# KiCad board prototype_01.kicad_pcb (continued)
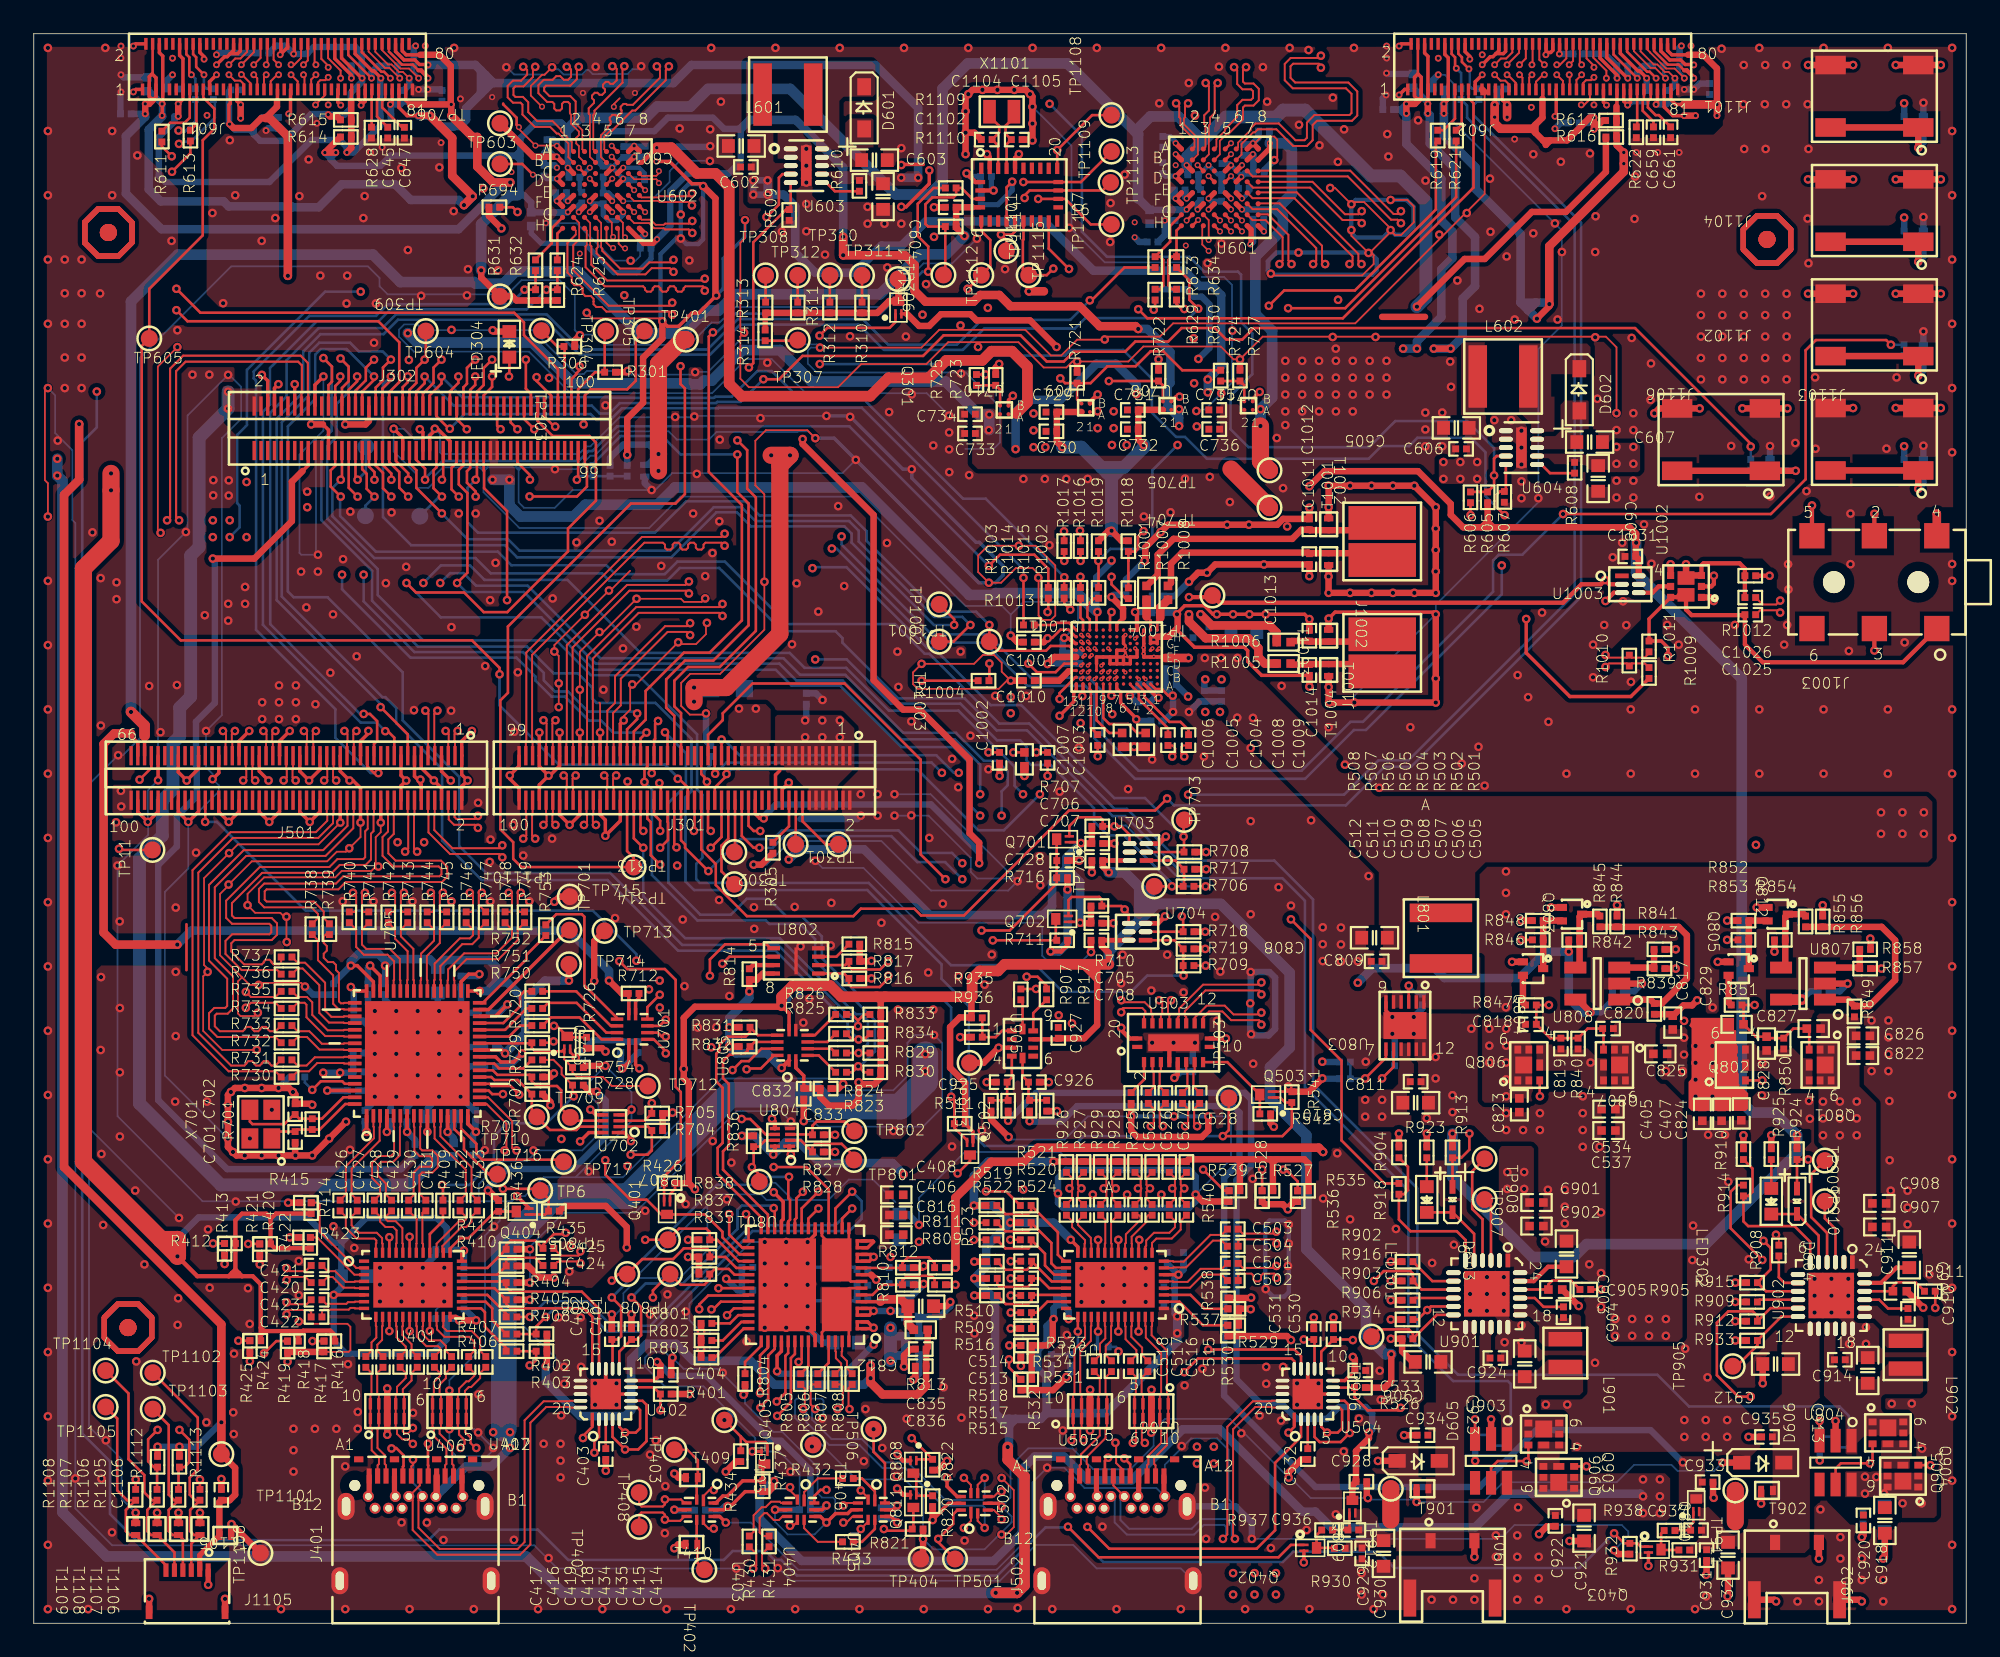
[diagram p0: board, top side]
## Routing (per net, layer and track width the routed paths; a pad name or vN(x,y) marks a point on that pad's centre or on a via; arc(x,y) is an arc through that point) (continued)
SSC_WAKE_PS0: length 41.1
  TOP w0.152: v1(25.17,73.91) 25.17,73.53 24.67,73.03 J302.60 ; U1101.6 56.17,82.54 56.7,82.01 56.7,80.46 TP1112.1 v1(55.36,79.11)
  ART06 w0.122: v1(25.17,73.91) 25.68,74.42 25.68,76 27.26,77.58 31.25,77.58 32.91,79.24 38.34,79.24 39.67,77.9 44.55,77.9 45.54,78.89 55.14,78.89 v1(55.36,79.11)
SSEQ0/A0: length 12.7
  TOP w0.152: v1(74.07,26.89) 74.22,26.89 74.92,26.2 R535.2 ; v1(65.53,22.73) 65.49,22.69 U501.11
  ART03 w0.122: v1(74.07,26.89) 69.91,22.73 v1(65.53,22.73)
SSEQ1: length 4.1
  TOP w0.152: U501.3 68.57,19.47 69.39,18.64 R538.1
SWD_CLK: length 2.4
  TOP w0.152: U801.40 41.76,18.27 41.27,17.78 R801.2
SWD_DAT: length 2.6
  TOP w0.152: R802.2 40.84,16.76 41.95,17.87 U801.41
SYS_5V: length 87.6
  TOP w0.203: U801.2 49.43,17.87 v1(49.78,17.52) ; v1(43.87,25.55) 44.42,24.99 44.42,23.95 44.32,23.85 U801.25 ; U801.12 49.63,21.87 v1(49.78,21.72) 49.53,21.47 U801.11 ; U801.1 49.73,17.47 ; U801.46 44.32,16.13 44.06,15.87 v1(44.06,14.94)
  TOP w0.381: 49.73,17.47 v1(49.78,17.52)
  ART03 w0.508: v1(78.92,31.03) 76.66,33.29 v1(76.38,33.29)
  GND04 w0.762: v1(50.78,21.72) 50.78,20.62 52.02,19.38 52.02,17.32 51.26,16.56 49.83,16.56 v1(49.78,16.52)
  ART05 w0.381: v1(43.87,25.55) 44.22,25.55 46.11,23.66 48.04,23.66 49.78,21.92 v1(49.78,21.72)
  ART05 w0.762: 52.02,17.83 52.02,17.35 51.19,16.52 v1(49.78,16.52) v1(49.78,17.52) ; v1(78.92,30.03) v1(78.92,31.03) v1(79.92,31.03) v1(79.92,30.03) v1(78.92,30.03)
  ART05 w1.524: v1(49.78,21.72) v1(50.78,21.72) 51.21,21.29 51.21,19.96 52.02,19.15 52.02,17.83 57.2,12.65 68.53,12.65 79.45,23.57 79.45,30.03
  BOTTOM w0.381: v1(76.38,33.29) 76.4,33.27 R859.1 ; v1(44.06,14.94) 44.21,14.8 48.07,14.8 v1(49.78,16.52)
SYS_VBAT: length 143.4
  TOP w0.203: J301.24 43.97,50.29 44.22,50.55 ; 67.07,57.23 67.01,57.28 U1001.E1 66.41,57.28 v2(66.4,57.3) 66.38,57.28 U1001.E2 U1001.E3 65.8,57.47 v2(65.79,57.48) 65.8,57.49 U1001.F3 65.8,57.82 v2(65.79,57.84) 65.8,57.85 U1001.G3 U1001.H3 v2(65.8,58.67) U1001.J3 ; U403.9 40.91,6.73 v1(41.13,6.95) 41.17,6.98 41.35,6.98 42.17,7.8 R437.1
  TOP w0.381: R437.1 43.56,7.8 43.89,8.13 v1(43.89,8.42)
  TOP w0.508: 67.07,57.23 v1(68.45,57.23)
  GND02 w0.381: v2(65.8,58.67) 65.8,58.36 v3(65.68,58.24) 65.79,58.14 v2(65.79,57.84) v2(65.79,57.48) 65.96,57.3 v2(66.4,57.3) 68.38,57.3 v1(68.45,57.23) v1(69.42,57.23) v1(70.38,57.23) v1(71.35,57.23) ; v2(65.8,58.67) 65.8,59.04 v3(65.67,59.16) ; v2(65.8,58.67) 66.37,58.67 v3(66.65,58.95)
  GND04 w0.635: 66.07,58.95 65.88,58.95 v3(65.67,59.16) ; 66.07,58.95 65.68,58.57 v3(65.68,58.24) ; 66.07,58.95 v3(66.65,58.95) 68.38,57.23 v1(68.45,57.23) v1(69.42,57.23) v1(70.38,57.23) v1(71.35,57.23)
  ART05 w0.508: v1(69.6,73.74) v1(69.6,72.97) 69.6,72.22 70.42,71.39 70.42,68.73
  BOTTOM w0.381: v1(43.5,85.54) v1(42.65,85.54) v1(42.65,84.69) v1(43.5,84.69) ; C437.1 40.74,6.71 40.99,6.95 v1(41.13,6.95) ; v1(45.73,53.53) 45.8,53.6 C524.1
  BOTTOM w0.508: 95.22,6.71 v1(95.39,6.53) ; v1(43.5,85.54) v1(43.5,84.69) 44.45,84.69 45.14,84.01 45.14,81.25 46.33,80.06 48.64,80.06 50.25,81.67 51.45,81.67 52.88,83.11 59.9,83.11 62.82,80.19 68.19,80.19 69.1,79.28 69.85,79.28 70.39,78.74 70.39,74.53 v1(69.6,73.74) v1(69.6,72.97) ; v1(95.39,7.53) 95.24,7.68 87.44,7.68 85.45,5.69 76.9,5.69 75.97,6.62 75.18,6.62 70.3,11.5 68.11,11.5 65.08,8.47 62.48,8.47 61.07,9.89 59.33,9.89 58.58,9.13 58.58,5.36 56.92,3.7 45.52,3.7 43.02,6.19 43.02,7.63 43.8,8.41 43.87,8.41 v1(43.89,8.42)
  vias: v1(45.73,52.53) v1(46.74,53.53) v1(46.74,52.53) v1(47.78,53.53) v1(47.78,52.53) v1(71.34,53.69) v1(72.27,53.68) v1(83.56,68.84) v1(83.56,67.84) v1(84.56,68.84) v1(84.56,67.84) v1(85.56,68.84) v1(85.56,67.84) v1(95.39,8.53) v1(96.39,8.53) v1(96.39,7.53) v1(96.39,6.53) v1(108.55,8.69) v1(108.55,7.69) v1(109.23,8.67) v1(109.5,48.07) v1(109.5,46.8) v1(109.68,7.69) v1(110.77,48.07) v1(110.77,46.8) v1(110.78,7.11) v1(111.91,7.11) v1(112.04,48.07) v1(112.04,46.8)
TP_EINT: length 85.9
  TOP w0.152: R1105.2 v1(9.85,8.52) ; v1(26.2,66.79) 26.2,67.1 25.68,67.61 25.68,68.3 25.87,68.49 J302.65
  ART03 w0.122: v1(9.85,8.52) 9.85,11 3.39,17.45 3.39,62.29 9.37,68.27 24.72,68.27 v1(26.2,66.79)
TP_RST: length 90.5
  TOP w0.152: R1108.2 v1(6.04,8.52) ; J302.90 30.67,72.78 29.81,73.64 v1(29.81,73.87)
  ART03 w0.122: v1(29.81,73.87) 29.81,73.55 28.18,71.92 26.14,71.92 25.15,70.93 25.15,70.64 23.66,69.15 8.96,69.15 2.56,62.74 2.56,17.02 6.04,13.54 v1(6.04,8.52)
TP_SCL: length 86.9
  TOP w0.152: R1106.2 8.58,9.2 R1113.2 8.93,9.26 9.22,9.55 9.22,10.88 v1(8.64,11.46) ; v1(27.67,70.79) 27.47,70.99 J302.74
  ART03 w0.122: v1(8.64,11.46) 8.64,11.76 3.12,17.28 3.12,62.44 9.21,68.54 25.42,68.54 v1(27.67,70.79)
TP_SDA: length 88.3
  TOP w0.152: J302.78 28.27,71.19 v1(28.67,70.79) ; R1107.2 7.31,9.23 R1112.2 7.13,9.26 6.78,9.6 6.78,10.91 v1(7.34,11.46)
  ART03 w0.122: v1(28.67,70.79) 28.2,71.26 27.12,71.26 24.68,68.82 9.05,68.82 2.84,62.61 2.84,17.13 7.34,12.63 v1(7.34,11.46)
TUSB1064_EN: length 77.1
  TOP w0.152: J302.29 18.67,67.32 v1(19.2,66.79) ; Q404.1 30.32,24.23 R435.1 30.52,25.16 TP6.1 29.92,25.76 v1(27.81,25.76)
  ART03 w0.122: v1(19.2,66.79) 18.94,66.79 17.3,65.15 14.83,65.15 13.67,66.32 10.59,66.32 10.13,65.86 10.13,64.08 10.54,63.68 10.81,63.68 11.28,63.21 11.28,61.26 10.72,60.71 10.72,52.1 9.65,51.03 9.65,46.59 10.67,45.57 10.67,40.39 10.95,40.11 10.95,27.2 12.7,25.45 24.37,25.45 25.38,26.46 27.11,26.46 v1(27.81,25.76)
USB1_HS_N: length 110.6
  TOP w0.127: TP407.1 35.89,6.44 36.02,6.57 37.29,6.57 37.41,6.44 v1(37.41,6.15) 37.49,6.07 38.31,6.07 38.57,6.33 38.7,6.33 ; J302.18 16.27,72.99 16.25,73.01 16.25,74.72 15.82,75.15 8.85,75.15 8.08,74.38 8.08,65.57 v1(7.9,65.39)
  ART03 w0.127: v1(37.41,6.15) 37.27,6.29 31.75,6.29 29.37,3.91 18.6,3.91 12.42,10.09 12.42,14.18 9.35,17.25 9.35,44.53 8,45.87 8,53.83 7.52,54.31 7.52,62.5 8.08,63.07 8.08,65.21 v1(7.9,65.39)
USB1_HS_P: length 110.5
  TOP w0.127: v1(8.62,65.39) 8.44,65.57 8.44,74.23 9,74.79 15.67,74.79 15.89,74.57 15.89,73.01 15.87,72.99 J302.16 ; 38.7,7.13 38.57,7.13 38.36,7.34 v1(37.41,7.34) 37.41,7.05 37.29,6.92 36.03,6.92 35.89,7.06 TP408.1
  ART03 w0.127: v1(37.41,7.34) 37.41,6.77 37.29,6.64 36.92,6.64 36.79,6.77 36.79,6.79 36.66,6.91 36.41,6.91 36.28,6.79 36.28,6.77 36.15,6.64 35.9,6.64 35.77,6.77 35.77,6.79 35.65,6.91 35.39,6.91 35.27,6.79 35.27,6.77 35.14,6.64 34.88,6.64 34.76,6.77 34.76,6.79 34.63,6.91 34.38,6.91 34.25,6.79 34.25,6.77 34.12,6.64 33.87,6.64 33.74,6.77 33.74,6.79 33.61,6.91 33.36,6.91 33.23,6.79 33.23,6.77 33.11,6.64 32.85,6.64 32.73,6.77 32.73,6.79 32.6,6.91 32.34,6.91 32.22,6.79 32.22,6.77 32.09,6.64 31.6,6.64 29.22,4.26 18.75,4.26 12.78,10.24 12.78,14.33 9.7,17.4 9.7,44.67 8.36,46.02 8.36,53.97 7.87,54.46 7.87,62.36 8.44,62.92 8.44,65.21 v1(8.62,65.39)
USB1_R_L_SEL: length 128.1
  TOP w0.152: U404.10 46.27,7.54 46.63,7.91 v1(46.99,7.91) ; J302.99 32.67,68.7 32.79,68.58 32.79,67.39 32.21,66.8 v1(29.39,66.8)
  ART03 w0.122: v1(29.39,66.8) 28.86,66.8 26.57,64.51 14.54,64.51 13.66,65.39 v1(11.62,65.39)
  ART06 w0.122: v1(11.62,65.39) 11.13,64.9 11.13,62.94 2.58,54.4 2.58,21.3 10.08,13.8 18.36,13.8 19.78,15.21 26.29,15.21 27.75,16.67 38,16.67 41.86,12.81 41.86,11.93 43.07,10.71 45.89,10.71 v1(46.13,10.47)
  ART06 w0.152: v1(46.99,7.91) 46.99,9.99 46.51,10.47 v1(46.13,10.47)
USB1_SEL: length 129.4
  TOP w0.152: J302.96 31.87,73.75 32.16,74.04 32.16,74.09 32.35,74.29 v1(32.35,74.51) ; v1(40.94,12.04) 41.91,11.07 ; 41.91,11.07 42.24,10.74 43.38,10.74 43.49,10.64 Q405.1 ; 41.91,11.07 R434.1
  ART03 w0.122: v1(10.62,64.39) 11.54,63.46 16.09,63.46 16.51,63.88 26.82,63.88 27.58,64.64 28.36,64.64 31.72,68 31.72,73.88 v1(32.35,74.51)
  ART06 w0.122: v1(40.94,12.04) 40.94,13.34 37.97,16.31 27.84,16.31 26.44,14.9 19.93,14.9 18.49,13.47 9.9,13.47 2.28,21.09 2.28,54.71 10.13,62.56 10.13,63.91 v1(10.62,64.39)
USB1_SS_RX_N: length 78.2
  TOP w0.114: v1(11.21,52.9) 11.4,52.72 11.4,52.27 11.37,52.24 J501.71
  TOP w0.127: v1(66.93,29.47) 66.75,29.65 66.75,30.49 C526.1
  ART06 w0.127: v1(66.93,29.47) 66.78,29.62 66.78,30.35 63.6,33.52 63.6,35.3 57.64,41.26 57.64,45.03 56.46,46.2 54.14,46.2 53.93,45.99 52.67,45.99 52.47,46.2 46.71,46.2 43.22,49.7 43.22,51.3 41.08,53.44 38.69,53.44 36.96,55.16 35.06,55.16 34.65,54.75 32.13,54.75 31.66,55.22 26.82,55.22 25.4,56.64 18.69,56.64 18.13,57.2 13.82,57.2 11.39,54.78 11.39,53.08 v1(11.21,52.9)
USB1_SS_RX_P: length 78.1
  TOP w0.114: J501.69 11.77,52.24 11.74,52.27 11.74,52.72 v1(11.93,52.9)
  TOP w0.127: C525.1 66.4,30.49 66.4,29.65 v1(66.22,29.47)
  ART06 w0.127: v1(66.22,29.47) 66.29,29.47 66.42,29.6 66.42,30.2 63.25,33.38 63.25,35.15 57.28,41.11 57.28,44.88 56.32,45.85 54.29,45.85 54.08,45.64 52.53,45.64 52.32,45.85 46.56,45.85 42.86,49.55 42.86,51.15 40.93,53.08 38.54,53.08 36.81,54.81 35.21,54.81 34.8,54.4 31.98,54.4 31.52,54.86 26.67,54.86 25.25,56.28 18.54,56.28 17.98,56.85 13.96,56.85 13.25,56.13 13.25,55.95 13.3,55.9 13.3,55.72 13.12,55.54 12.94,55.54 12.89,55.59 12.71,55.59 12.53,55.41 12.53,55.23 12.58,55.18 12.58,55 12.4,54.82 12.22,54.82 12.17,54.87 11.99,54.87 11.75,54.63 11.75,54.19 11.88,54.06 11.91,54.06 12.04,53.93 12.04,53.68 11.91,53.55 11.88,53.55 11.75,53.43 11.75,53.08 v1(11.93,52.9)
USB1_SS_TX_N: length 91.9
  TOP w0.114: v1(12.41,49.97) 12.6,50.15 12.6,50.6 12.57,50.63 J501.65
  TOP w0.127: v1(68.96,29.47) 68.78,29.65 68.78,30.49 C528.1
  ART06 w0.127: v1(12.41,49.97) 12.59,50.15 12.59,51.05 12.47,51.18 10.04,51.18 9.39,51.83 9.39,54.75 12.98,58.34 28.1,58.34 29.87,56.58 42.66,56.58 44.45,54.79 44.45,51.41 48.62,47.24 52.44,47.24 52.77,47.57 55.12,47.57 55.57,47.13 57.62,47.13 59.15,45.6 59.15,42.57 61.06,40.67 64.84,40.67 65.58,39.92 65.58,33.3 68.86,30.02 68.86,29.58 68.86,29.57 v1(68.96,29.47)
USB1_SS_TX_P: length 91.8
  TOP w0.114: v1(13.13,49.97) 12.94,50.15 12.94,50.6 12.97,50.63 J501.63
  TOP w0.127: v1(68.25,29.47) 68.43,29.65 68.43,30.49 C527.1
  ART06 w0.127: v1(68.25,29.47) 68.5,29.72 68.5,29.88 65.22,33.16 65.22,39.78 64.69,40.31 60.91,40.31 58.8,42.42 58.8,45.45 57.48,46.77 55.42,46.77 54.97,47.22 52.91,47.22 52.58,46.89 48.47,46.89 44.09,51.26 44.09,54.64 42.51,56.22 29.72,56.22 27.96,57.99 13.13,57.99 9.74,54.6 9.74,51.98 10.19,51.54 10.52,51.54 10.65,51.66 10.65,51.82 10.78,51.94 11.03,51.94 11.16,51.82 11.16,51.66 11.28,51.54 11.54,51.54 11.67,51.66 11.67,51.82 11.79,51.94 12.05,51.94 12.17,51.82 12.17,51.66 12.3,51.54 12.61,51.54 12.95,51.2 12.95,50.15 v1(13.13,49.97)
USB3_SEL: length 103.4
  TOP w0.152: v1(17.17,75.01) 17.68,74.5 17.68,73.61 17.47,73.4 J302.24 ; Q503.1 73.89,31.17 74.18,30.87 R541.1 74.57,29.44 74.02,28.88 v1(70.48,28.88) 70.84,29.24 TP503.1
  BOTTOM w0.152: v1(70.48,28.88) 62.23,28.88 61.65,28.3 56.36,28.3 55.42,29.24 55.42,36.59 53.81,38.2 53.81,39.07 49.41,43.47 39.14,43.47 38.63,43.98 38.63,48.97 38.99,49.33 38.99,52.43 36.85,54.56 33.37,54.56 33.1,54.83 33.1,55.47 32.25,56.32 30.82,56.32 29.24,57.9 22.77,57.9 20.06,60.62 20.06,62.39 17.05,65.39 17.05,70.09 17.65,70.69 17.65,74.52 v1(17.17,75.01)
USB_D+: length 4
  TOP w0.127: 39.12,9.91 38.75,10.29 TP403.1
  TOP w0.152: 39.12,9.91 39.36,9.67 T409.2 39.3,8.57 U403.2
USB_D-: length 3.1
  TOP w0.152: TP402.1 39.34,3.59 T410.2 39.3,4.72 U403.6
USB_HS1_VBUS_DET: length 4.8
  TOP w0.152: J302.97 32.27,67.87 v1(32.2,67.79)
  BOTTOM w0.152: R429.2 R428.1 R427.2 32.41,68.01 v1(32.2,67.79)
USB_HUB_RESET: length 5.5
  TOP w0.152: J302.98 32.27,73.16 33.27,74.17 R301.1 33.84,76.54 TP304.1
USB_ID: length 31.1
  TOP w0.152: J301.53 37.97,53.8 37.49,54.28 37.49,55.96 38.61,57.07 40.28,57.07 42.37,59.16 42.37,66.39 41.71,67.06 v1(41.71,69.29)
  BOTTOM w0.152: v1(41.71,69.29) 38.34,69.29 37.25,70.38 34.8,70.38 33.15,68.73 R427.1
USB_L_SEL: length 132.8
  TOP w0.152: J302.30 18.67,73.13 19.17,73.63 v1(19.17,73.91) ; U405.10 50.46,9.49 49.78,10.16 v1(49.78,11.51)
  ART03 w0.122: v1(19.38,78.94) 19.68,78.64 19.68,74.43 v1(19.17,73.91)
  ART06 w0.122: v1(49.78,11.51) 49.62,11.67 45.26,11.67 44.84,12.09 44.84,15.2 44.36,15.68 39.44,15.68 38.09,17.02 27.57,17.02 26.03,15.49 19.65,15.49 18.32,14.16 10.27,14.16 2.9,21.54 2.9,54.21 11.62,62.93 v1(11.62,64.39)
  BOTTOM w0.152: v1(11.62,64.39) 12.2,64.98 12.2,66.26 12.05,66.41 12.05,70.45 12.64,71.03 12.64,74.31 17.28,78.94 v1(19.38,78.94)
USB_R_SEL: length 131.3
  TOP w0.152: J302.57 24.27,67.87 v1(24.2,67.79) ; 54.95,6.71 54.75,6.71 54.5,6.46 54.5,5.89 v1(53.61,5) 53.61,4.81 TP501.1
  ART03 w0.122: v1(12.62,67.66) 12.88,67.92 17.41,67.92 18.02,67.31 23.71,67.31 v1(24.2,67.79)
  ART06 w0.122: v1(12.62,67.66) 12.62,66.39 12.12,65.89 12.12,63.04 3.19,54.11 3.19,21.8 10.49,14.5 16.62,14.5 17.99,15.88 25.93,15.88 27.39,17.34 38.29,17.34 38.9,16.73 40.78,16.73 41.55,15.96 46.11,15.96 47.02,15.05 47.02,12.54 47.56,11.99 50.08,11.99 54.16,7.91 54.16,5.55 v1(53.61,5)
USB_VBUS_5V: length 42.6
  TOP w1.016: v1(39.14,54.64) v1(39.14,55.47) 41.05,55.47 44.23,58.65 44.23,68.64 v1(44.83,69.24) v1(43.71,69.24) ; TP401.1 38.47,76.1 37.03,74.67 v1(37.03,69.32) v1(37.03,68.32)
  ART06 w1.016: v1(37.03,68.32) v1(37.03,69.32) 39.53,69.32 40.83,68.02 42.49,68.02 v1(43.71,69.24) v1(44.83,69.24)
  BOTTOM w0.381: T411.2 36.39,68.68 v1(37.03,69.32) 36.47,69.88 34.94,69.88 34.16,69.1 R428.2
VOLUME_DOWN: length 143.6
  TOP w0.152: J301.63 35.97,52.45 v1(36.32,52.81) ; v1(110.09,75.8) 109.81,76.07 105.64,76.07 105.03,75.46 105.03,67.82 102.97,65.76 v1(90.65,65.76)
  ART06 w0.122: v1(18.28,62.17) 18.74,62.17 20.29,63.72 31.58,63.72 31.98,63.32 34.83,63.32 38.2,66.69 44.87,66.69 47.13,64.43 v1(47.89,64.43)
  BOTTOM w0.152: v1(36.32,52.81) 34.34,52.81 33.63,53.52 32.91,53.52 31.49,54.94 30.69,54.94 29.74,55.89 29.74,56.12 28.62,57.25 22.33,57.25 18.28,61.3 v1(18.28,62.17) ; v1(110.09,75.8) R1102.1 ; v1(90.65,65.76) 88.24,63.35 86.84,63.35 86.51,63.01 86.51,61.16 78.79,53.44 78.05,53.44 75.16,50.55 65.48,50.55 63.35,52.68 63.35,55.24 62.53,56.06 59.11,56.06 56.54,58.62 53.21,58.62 47.89,63.94 v1(47.89,64.43)
VOLUME_UP: length 134.1
  TOP w0.152: J501.78 10.17,47.52 v1(10.16,47.51)
  ART03 w0.122: v1(35.72,39.28) 35.72,40.57 38.98,43.83 38.98,44.38 39.94,45.34 40.2,45.34 43.12,48.26 47.14,48.26 49.99,51.1 49.99,58.29 57.23,65.54 64.13,65.54 65.74,63.93 66.75,63.93 71.77,68.95 78.54,68.95 82.38,72.8 89.87,72.8 107.18,90.11 v1(110.87,90.11)
  BOTTOM w0.152: v1(10.16,47.51) 10.86,47.51 16.12,42.25 33.15,42.25 35.72,39.67 v1(35.72,39.28)
  BOTTOM w0.381: R1101.1 v1(110.87,90.11)
VREG_L14A_2P8: length 97.9
  TOP w0.203: 19.87,71.27 J302.36
  TOP w0.305: J1105.2 9.84,4.04 T1105.2
  TOP w0.381: TP1101.1 11.94,9.21 11.94,7.62 11.61,7.29 C1106.2 11,7.18 T1105.2 ; R1113.1 v1(8.64,10.46) ; v1(18.47,71.07) 19.67,71.07 19.87,71.27 ; R1112.1 v1(7.34,10.46)
  TOP w0.508: TP1101.1 v1(11.12,11.91) 11.12,17.72 1.8,27.04 1.8,66.9 2.69,67.79 v1(2.69,71.09)
  ART03 w0.508: v1(18.47,71.07) 17.81,70.41 3.38,70.41 v1(2.69,71.09)
  BOTTOM w0.381: v1(7.34,10.46) v1(8.64,10.46) 9.67,10.46 v1(11.12,11.91)
VREG_L15A_1P2: length 63.1
  TOP w0.203: v1(13.52,74.01) 13.87,73.66 J302.6
  TOP w1.016: 70.97,68.43 TP704.1
  ART03 w0.508: v1(13.52,74.01) 12.45,75.09 12.45,80.11 12.95,80.62 19.15,80.62 22.17,77.6 v1(22.17,76.48)
  BOTTOM w0.635: v1(22.17,76.48) 22.72,75.93 29.55,75.93 31.98,73.51 38.85,73.51 38.91,73.45 39.51,73.45 39.73,73.67 40.19,73.67 42,75.48 44.23,75.48 46.1,73.61 54.05,73.61 56.01,71.65 v1(56.64,71.65) 56.64,70.76 v1(56.62,70.74)
VREG_L17A_3P3: length 61
  TOP w0.203: J302.17 16.27,68.65 15.94,68.31
  TOP w0.381: v1(10.62,63.12) 13.08,63.12 15.3,65.34 15.3,67.68 15.94,68.31
  BOTTOM w0.381: R714.2 21.78,26.92 11.47,26.92 7.38,31.01 7.38,44.95 8.48,46.05 8.48,47.85 9.66,49.03 9.66,50.81 9.62,50.86 9.62,53.45 10.74,54.57 10.74,63 v1(10.62,63.12)
VREG_L18A_1P8: length 156.4
  TOP w0.203: v5(86.6,90.02) 86.65,90.07 J602.27 ; J602.41 89.45,90.39 89.43,90.37 ; v5(94.49,91.6) 94.47,91.6 93.25,92.82 J602.60 ; v5(90.43,93.04) 90.45,93.05 J602.46
  TOP w0.381: 89.43,90.37 89.43,89.26 89.02,88.84 ; 89.02,88.36 89.47,87.91 ; 89.02,88.36 89.02,88.84 ; 89.02,88.36 88.77,88.6 89.02,88.84 ; 89.47,87.91 89.63,87.74 89.63,87.65 89.9,87.91 ; 89.47,87.91 89.9,87.91 ; 89.9,87.91 90.88,87.91 92.23,89.26 v5(92.48,89.26) v5(92.48,88.57) 93,89.09 R617.2
  TOP w0.508: 88.77,88.6 86.94,88.6 86.6,88.94 v5(86.6,89.29) v5(86.6,90.02)
  ART03 w0.381: v5(90.43,93.04) 93.83,93.04 94.49,92.38 v5(94.49,91.6) 94.49,91.06 93.85,90.42 93.85,89.61 92.81,88.57 v5(92.48,88.57)
  ART06 w0.381: v1(5.19,48.42) 5.19,49.33 v1(5.17,49.35)
  ART06 w0.508: v1(58.2,69.61) 55.51,69.61 54.81,68.91 53.69,68.91 51.18,66.4 51.18,65.6 47.36,61.77 47.36,56.57 46.87,56.08 44.82,56.08 43.42,57.48 36.34,57.48 35.32,58.5 34.55,58.5 33.77,57.72 32.11,57.72 30.69,59.13 26.09,59.13 25.46,59.76 24.14,59.76 23.48,59.1 12.25,59.1 11.7,58.55 10.29,58.55 7.52,55.77 7.52,54.94 6.8,54.22 6.8,51.96 5.17,50.33 v1(5.17,49.35) ; v1(65.37,72.87) 65.81,72.87 67.78,74.84 67.78,76.31 68.36,76.89 70,76.89 70.54,77.42 71.94,77.42 72.38,76.99 74.77,76.99 77.16,79.38 80.46,79.38 81.57,80.49 85.61,80.49 86.23,79.87 92.3,79.87 93.55,81.13 93.55,84.6 93.1,85.05 93.1,87.96 v5(92.48,88.57) v5(92.48,89.26)
  BOTTOM w0.381: v5(90.43,93.04) 91.24,93.04 C654.2 ; C653.1 94.49,92.32 v5(94.49,91.6) ; C655.1 86.73,90.15 v5(86.6,90.02) v5(86.6,89.29) ; C652.2 92.17,88.95 v5(92.48,89.26)
  BOTTOM w0.508: v1(65.37,72.87) 65.37,73.44 64.14,74.67 62.99,74.67 60.85,72.53 58.91,72.53 58.2,71.82 v1(58.2,69.61)
VREG_L19A_1P2: length 65.7
  BOTTOM w0.508: 23.84,27.66 R715.2
  BOTTOM w0.762: 23.84,27.66 22.17,25.98 11.09,25.98 6.26,30.82 6.26,45.33 7.62,46.69 7.62,48.79 8.25,49.43 8.25,52.19 8.65,52.59 8.65,54.28 9.3,54.93 9.3,63.3 9.8,63.8 9.8,70.29 v1(11.52,72.01) v1(11.52,73.01)
VREG_L21A_3P3: length 207.8
  TOP w0.203: v1(25.5,22.1) 25.38,21.98 U401.28 ; v1(17.78,19.47) U401.6
  TOP w0.254: v1(25.22,17.96) 25.01,18.17 U401.20 ; R414.1 14.36,24.29 14.04,23.97 ; 11.95,20.97 12.16,20.76 ; 11.95,20.97 11.75,20.76 ; 11.95,20.97 R412.1 11.95,23.89 12.34,24.28 13.79,24.28 14.04,24.04 14.04,23.97 ; 12.16,20.76 12.35,20.57 ; 12.16,20.76 11.75,20.76 ; 11.56,20.57 12.35,20.57 ; 11.56,20.57 9.7,20.57 v1(8.52,21.75) ; 11.56,20.57 11.75,20.76 ; 12.35,20.57 12.98,20.57 13.45,20.1 13.45,17.53 ; 15.95,17.32 15.98,17.35 17.58,17.35 17.85,17.08 R416.1 ; 15.95,17.32 15.44,17.32 ; 15.95,17.32 15.69,17.06 ; 15.44,17.32 15.69,17.08 15.69,17.06 ; 15.44,17.32 13.71,17.32 ; R424.1 13.45,17.06 ; 13.45,17.06 13.71,17.32 ; 13.45,17.06 13.45,17.53 ; 13.71,17.32 13.66,17.32 13.45,17.53 ; R418.1 15.69,17.06 ; R422.1 14.29,22.24 R420.1 14.04,23.97
  TOP w0.381: R728.2 32.96,31.52 v1(33.38,31.52) ; R813.1 52.99,16.35 C835.1 C836.1 52.9,14.07 ; v1(30.35,15.24) 30.42,15.31 R403.1 R402.1 ; v1(26.92,25.65) 26.96,25.65 R436.1 ; v1(25.22,17.96) v1(26.22,17.96) ; v1(30.84,20.5) 30,20.5 29.31,21.18 R410.2
  TOP w0.508: 52.9,14.07 52.39,13.56 50.32,13.56 49.61,14.27 v1(49.61,14.53) v1(49.61,15.29)
  TOP w1.016: v1(8.52,21.75) 8.52,21.79 ; 8.52,21.79 7.56,22.75 ; 8.52,21.79 v1(8.52,22.75) 7.56,22.75 ; 7.56,22.75 2.95,27.36 2.95,62.53 4.58,64.17 v1(4.58,67.17) v1(4.58,68.17)
  ART03 w0.381: v1(30.35,15.24) 30.35,15.85 31.73,17.23 31.73,19.6 v1(30.84,20.5)
  ART06 w0.381: v1(30.84,20.5) 30.05,21.29 26.31,21.29 v1(25.5,22.1) 25.5,25.14 26.01,25.65 v1(26.92,25.65)
  ART06 w0.762: v1(16.21,66.16) 16.21,67.08 v1(16.21,67.09) 16.21,68.09 14.67,69.63 6.05,69.63 v1(4.58,68.17) v1(4.58,67.17)
  BOTTOM w0.381: 18.23,22.56 18.23,20.58 C409.1 18.24,19.93 v1(17.78,19.47) 17.78,16.71 18.51,15.98 23.63,15.98 24.48,16.83 C410.1 25.12,18.06 v1(25.22,17.96) ; 18.23,22.56 17.74,22.56 16.24,24.06 9.77,24.06 8.52,22.81 v1(8.52,22.75) v1(8.52,21.75) ; 18.23,22.56 19.7,24.02 23.9,24.02 24.48,23.44 C413.1 25.45,22.15 v1(25.5,22.1) C412.1 ; v1(33.38,31.52) 33.9,31 33.9,28.85 31.98,26.93 28.07,26.93 26.92,25.79 v1(26.92,25.65) ; v1(26.22,17.96) 25.55,18.63 C411.1
  BOTTOM w0.508: v1(30.35,15.24) 30.35,14.33 32.4,12.28 35.07,12.28 35.41,12.63 35.41,15.65 36.34,16.57 38.07,16.57 39.09,15.56 42.48,15.56 43.9,14.14 49.22,14.14 v1(49.61,14.53) v1(49.61,15.29)
VREG_L22A_2P85: length 76.7
  TOP w0.203: J301.30 42.77,47.98 43.04,47.72 v1(43.27,47.72)
  TOP w0.254: U1101.3 v1(56.9,84.94)
  TOP w0.381: v1(56.04,45.06) 56.04,46.27 55.47,46.84 55.47,51.21 52.51,54.17 51.53,54.17 49.78,55.92 49.78,65.7 45.58,69.91 v1(45.58,70.21)
  ART03 w0.381: v1(56.9,84.94) 56.63,85.21 54.95,85.21 51.94,88.21 49.23,88.21 46.51,85.5 46.51,81.92 45.58,80.99 v1(45.58,70.21)
  BOTTOM w0.305: v1(56.9,84.94) 56.77,85.07 C1101.1
  BOTTOM w0.381: v1(43.27,47.72) 43.27,47.82 43.99,48.54 53.19,48.54 56.04,45.69 v1(56.04,45.06)
VREG_L23A_1P8: length 55.1
  TOP w0.203: 14.42,90.25 14.45,90.27 J601.41 ; J302.23 17.47,70.75 17.14,71.07 ; v5(19.46,91.6) 19.44,91.6 18.25,92.79 J601.60 ; J601.46 15.45,93.08 v5(15.41,93.04) ; J601.27 11.65,90.1 11.57,90.02 11.57,88.91 v5(11.61,88.87)
  TOP w0.381: R615.2 17.98,89.33 17.56,89.33 v5(17.46,89.44) ; 14.42,90.25 14.42,89.91 13.75,89.24 13.49,89.24 12.9,88.65 11.84,88.65 v5(11.61,88.87) ; v1(16.44,71.07) 17.14,71.07
  TOP w0.508: v1(15.06,79.88) 15.06,88.14 13.97,89.24 13.75,89.24
  ART03 w0.508: v1(15.06,79.88) 16.18,78.77 16.18,71.34 v1(16.44,71.07)
  BOTTOM w0.381: C638.2 11.57,90.8 11.57,88.91 v5(11.61,88.87) 11.94,88.54 12.83,88.54 ; 13.04,88.33 13.04,88.27 13.42,87.88 14.85,87.88 16.44,89.47 17.42,89.47 v5(17.46,89.44) 18.42,89.44 18.8,89.81 18.8,90.73 19.46,91.39 v5(19.46,91.6) 19.46,92.32 C640.2 19.45,93.07 19.07,93.45 16.59,93.45 16.21,93.07 16.21,93.04 v5(15.41,93.04) 14.92,93.52 14.38,93.52 13.94,93.09 C641.1 ; 13.04,88.33 13.04,88.76 ; 13.04,88.33 12.83,88.54 ; 13.04,88.76 13.55,89.27 C639.1 ; 13.04,88.76 12.83,88.54
VREG_L29A_3P3: length 249.4
  TOP w0.102: 60.4,17.98 v1(60.45,18.03)
  TOP w0.203: U501.6 v1(67.85,20.67) ; v1(22.89,70.79) 23.07,70.61 J302.51 ; U501.20 61.89,22.31 v1(61.47,22.73)
  TOP w0.381: v1(60.45,27.37) R508.1 R507.1 R506.1 R505.1 R504.1 R503.1 R502.1 R501.1 68.46,27.51 71.37,27.51 ; R527.1 73.45,27.3 ; 73.45,27.3 73.45,27.33 73.28,27.51 ; 73.45,27.3 73.66,27.51 ; v1(72.14,18.62) 72.11,18.64 R537.1 71.43,17.68 R529.1 ; 73.28,27.51 73.66,27.51 ; 73.28,27.51 71.65,27.51 ; 73.66,27.51 75.31,27.51 75.56,27.26 R535.1 ; 71.37,27.51 71.5,27.38 71.5,27.35 ; 71.37,27.51 71.65,27.51 ; v1(55.75,20.45) R509.1 ; 71.5,27.35 71.65,27.51 ; 71.5,27.35 R539.1 ; v1(57.89,23.75) R520.2 ; 60.4,17.98 60.4,16.79 60.08,16.47 R533.1 R531.1 ; v1(55.73,24.77) R519.2
  TOP w0.635: v1(57.73,10.45) 57.73,9.7 58.73,8.71 58.73,2.24 v1(58.29,1.8) v1(57.02,1.8)
  ART03 w0.381: v1(22.89,70.79) 21.9,69.8 2.16,69.8 v1(1.4,69.04) v1(1.4,68.04)
  ART05 w0.381: v1(67.78,18.2) 68.21,18.62 v1(72.14,18.62)
  BOTTOM w0.381: R514.2 60.33,14.88 60.03,14.59 59.54,15.09 59.54,16.18 59.91,16.55 60.03,16.55 60.03,17.62 v1(60.45,18.03) 60.45,18.67 C519.1 61.34,18.54 v1(61.34,18.03) ; C522.1 68.16,20.97 v1(67.85,20.67) ; v1(67.85,20.67) 67.63,20.44 C521.1 C523.1 67.63,18.35 v1(67.78,18.2) ; v1(67.85,20.67) 67.19,21.33 C520.1
  BOTTOM w0.508: v1(57.89,23.75) 60.45,23.75 v1(61.47,22.73) ; v1(57.89,23.75) 56.46,22.33 56.46,21.16 v1(55.75,20.45) 56.99,19.21 56.99,12.46 57.33,12.12 ; v1(57.89,23.75) 56.87,24.77 v1(55.73,24.77) 55.73,26.52 56.58,27.37 v1(60.45,27.37) ; 57.81,11.63 57.81,10.53 v1(57.73,10.45) ; 57.81,11.63 57.81,11.73 ; 57.81,11.63 57.33,12.12 ; 60.03,12.46 59.69,12.12 58.19,12.12 ; 60.03,12.46 63.54,12.46 67.78,16.7 v1(67.78,17.2) v1(67.78,18.2) ; 60.03,12.46 60.03,14.59 ; 57.81,11.73 57.81,12.12 ; 57.81,11.73 58.19,12.12 ; 58.19,12.12 57.81,12.12 ; 57.81,12.12 57.33,12.12
  BOTTOM w0.635: v1(58.29,1.8) v1(57.02,1.8) 31.34,1.8 29.18,3.96 4.32,3.96 1.7,6.58 1.7,67.73 v1(1.4,68.04) v1(1.4,69.04)
VREG_LVS1A_1P8: length 120.5
  TOP w0.152: v1(62.08,46.25) 62.02,46.31 Q701.1 ; v1(62.03,41.53) 61.97,41.58 Q702.1
  TOP w0.203: J501.97 6.17,52.2 5.77,52.6 5.77,52.76 ; v1(32.99,30.45) 33.31,30.14 U702.5 ; U702.1 35,29.09 35.4,28.69 v1(35.4,28.59) ; R712.2 35.28,37.3 U701.8
  TOP w0.381: R710.1 C705.1 62.05,41.5 v1(62.03,41.53) ; v1(34.1,38.1) 34.86,37.34 R712.2 ; v1(62.08,46.25) 62.1,46.23 C706.1 R707.1 ; v1(37.87,30.28) 37.82,30.23 R705.2 R704.2
  TOP w0.508: 5.77,52.76 4.77,52.76 4.14,52.13 4.14,40.94 4.85,40.23 v1(8.51,40.23)
  ART03 w0.508: v1(34.1,38.1) 35.94,38.1 39.32,41.48 39.32,42.54 40.83,44.05 43.53,44.05 v1(44.75,45.28)
  ART05 w0.508: v1(34.1,38.1) 36,38.1 36.72,38.82 38.46,38.82 39.23,38.04 39.23,36.58 38.59,35.94 38.59,34.73 39.22,34.11 39.22,31.62 v1(37.87,30.28) 36.37,28.78 35.59,28.78 v1(35.4,28.59) 34.86,28.59 v1(32.99,30.45)
  BOTTOM w0.508: 61.21,44.75 61.57,44.4 ; 61.21,44.75 61.21,45.39 v1(62.08,46.25) ; 61.21,44.75 60.86,44.4 ; 61.57,44.4 61.8,44.17 ; 61.57,44.4 60.86,44.4 ; v1(34.1,38.1) 34.1,38.67 31.7,41.07 9.34,41.07 v1(8.51,40.23) ; 60.63,44.17 61.8,44.17 ; 60.63,44.17 60.36,43.9 60.36,42.51 59.84,41.99 53.11,41.99 49.22,45.88 45.35,45.88 v1(44.75,45.28) ; 60.63,44.17 60.86,44.4 ; 61.8,44.17 62.03,43.94 v1(62.03,41.53)
VREG_LVS2A_1P8: length 92.4
  TOP w0.203: J501.95 6.57,52.63